# Altium PCB PCB_with_drawing_try2.PcbDoc (part 4 of 5) (continued)
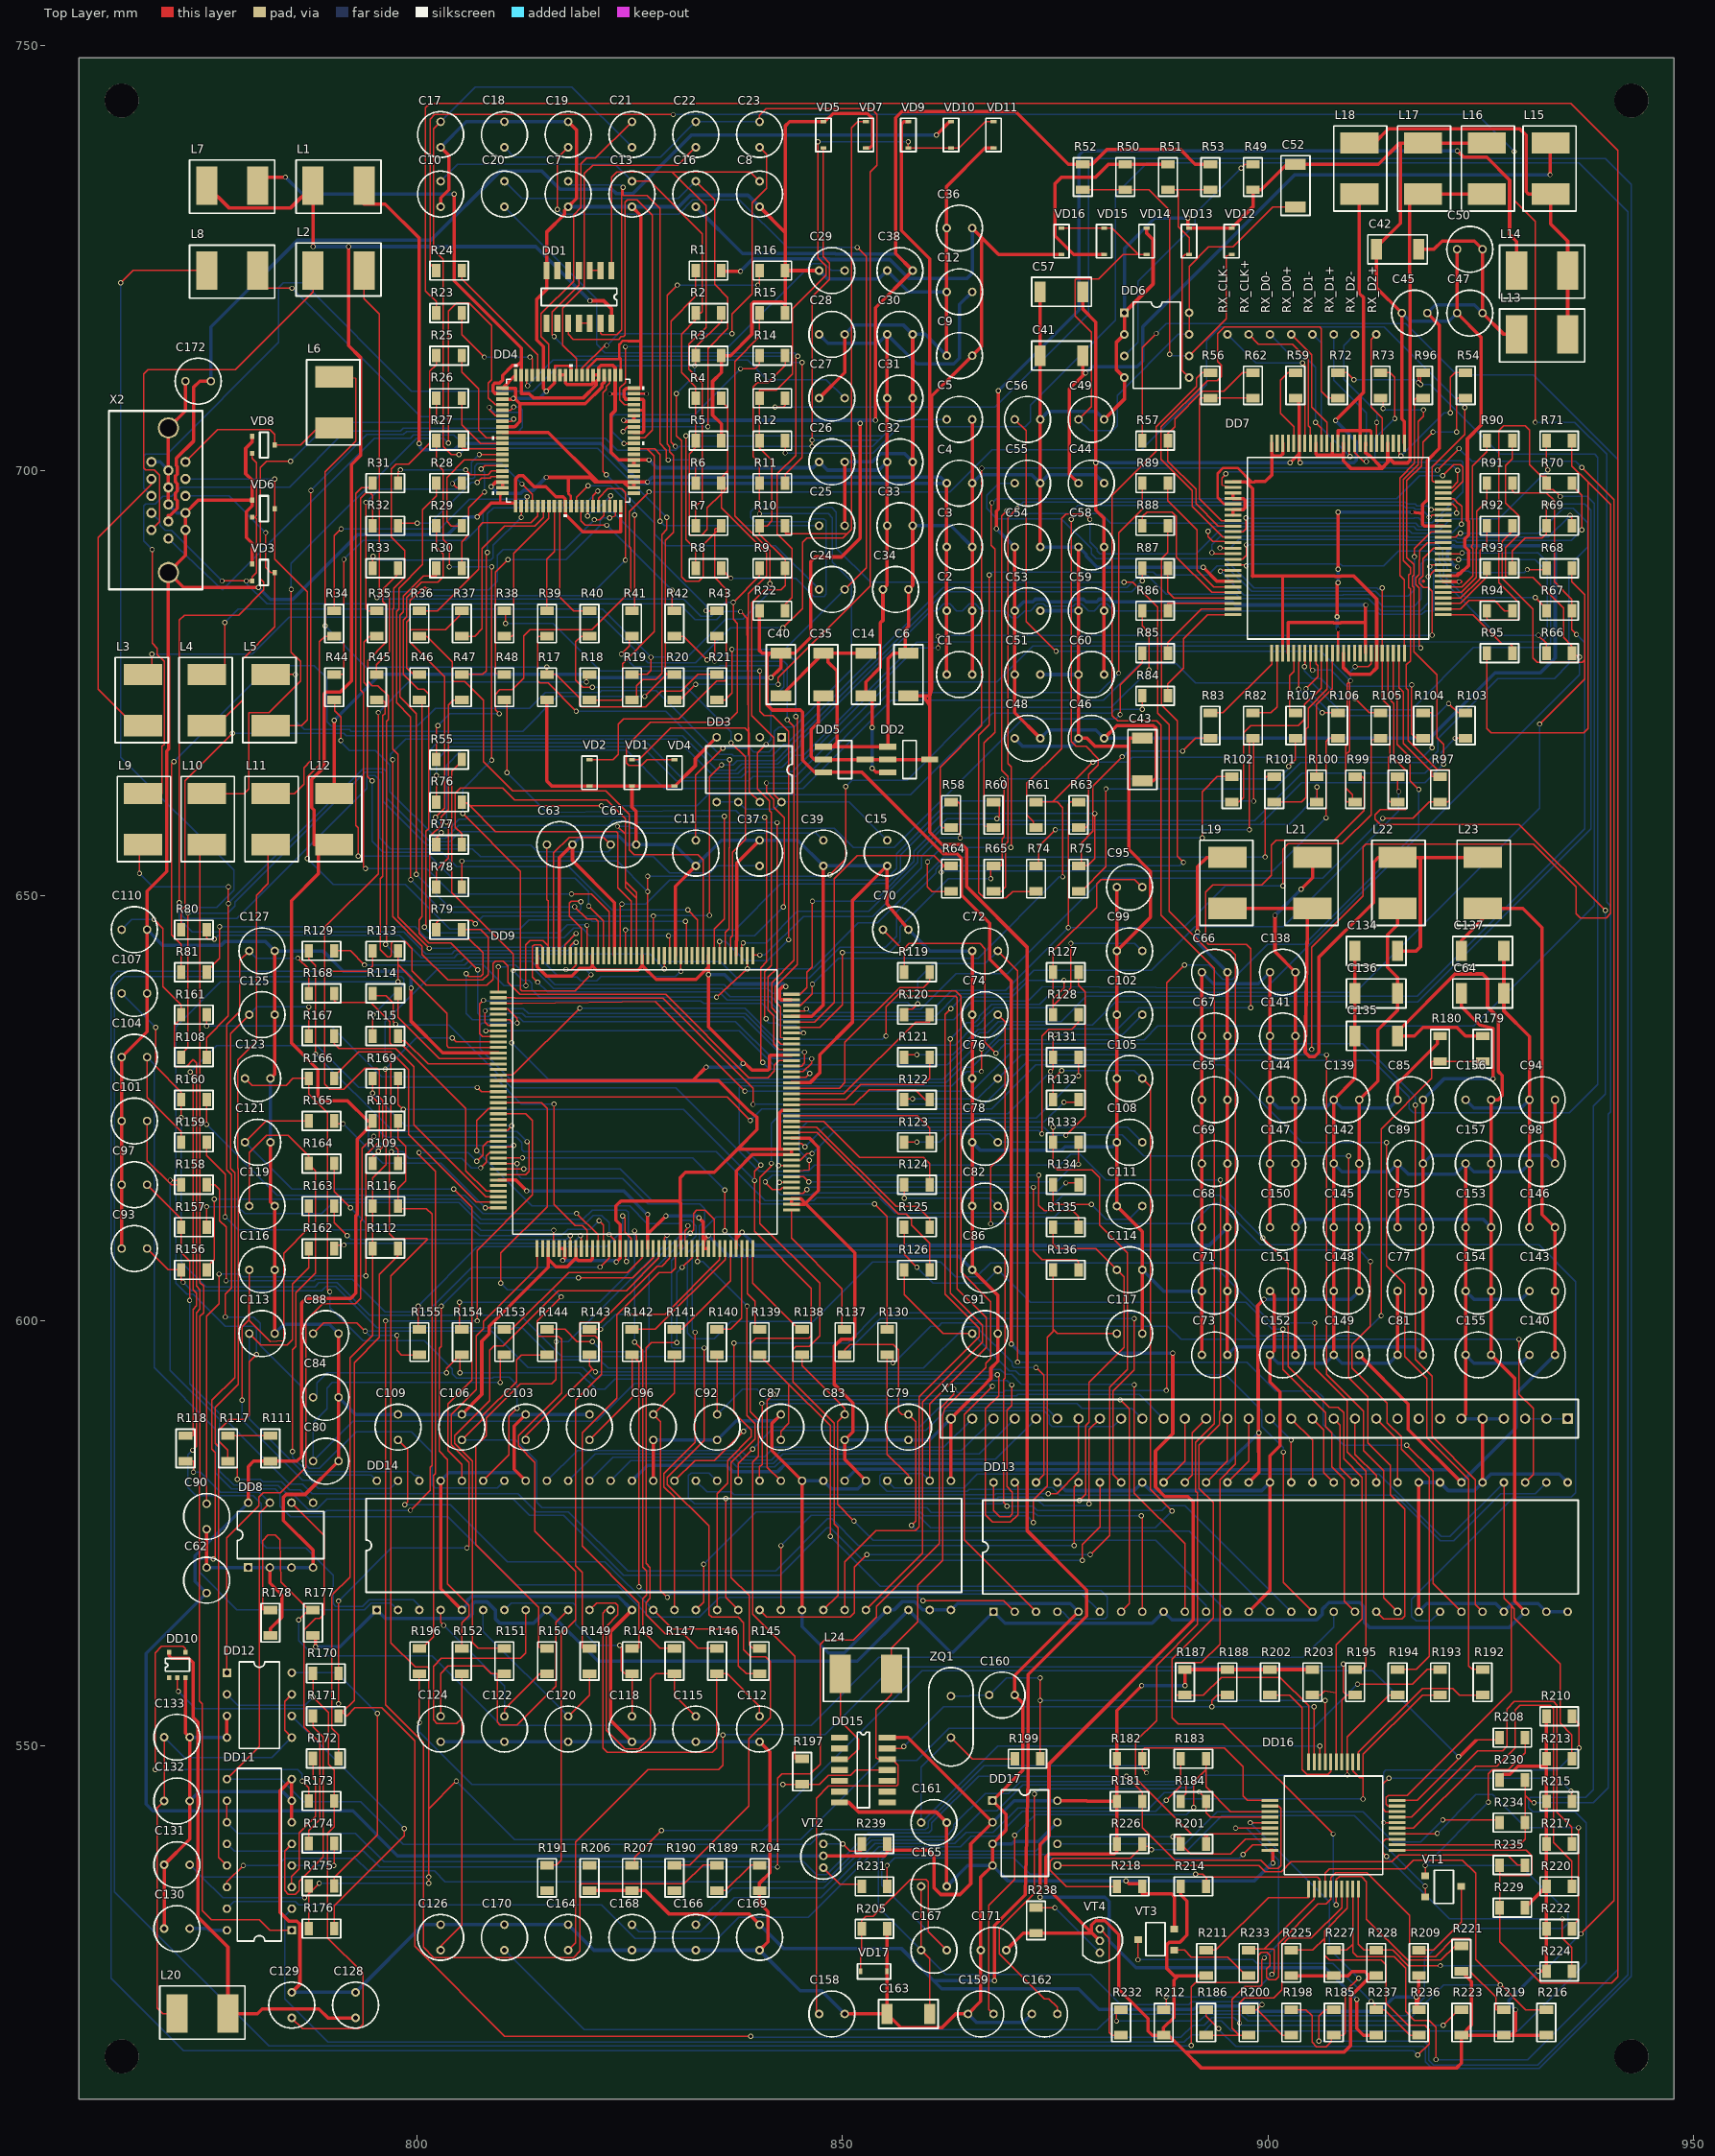
[diagram p0: Top Layer view]
## Nets (pads, with @x,y where several pads share a name; then routed paths per layer and width w, separated by ;. In a path a pad name is that pad's centre, name@x,y a point inside that pad or via, vN(x,y) a via of type N, cw(c..) or ccw(c..) an arc to the next point about the centre after c; other vN are vias at no path point) (continued)
  Bottom Layer w0.15: RX_CLK-.1@895.25,716 898.599,712.651 v1(904.096,712.651)
NetDD7_96: DD7.96 R59.2 | length 10.2
  Top Layer w0.15: DD7.96@903.05,703.2 903.05,705.159 901.5,706.709 901.5,710.595 902.405,711.5 R59.2@903.25,711.5
NetDD8_5: DD8.5 R111.2 R117.2 | length 20.2
  Top Layer w0.15: R117.2@777.75,586.5 778.708,586.5 ; v1(778.844,581.36) 778.844,586.364 778.708,586.5 ; R111.2@782.75,586.5 778.708,586.5
  Bottom Layer w0.15: v1(778.844,581.36) 781.546,581.36 781.837,581.069 784.053,581.069 784.989,580.133 786.237,580.133 DD8.5@787.75,578.62
NetDD9_11: DD9.11 R113.1 R117.1 | length 110.8
  Top Layer w0.15: R117.1@777.75,583.5 777.726,583.5 777.726,584.805 776.675,585.856 776.675,587.126 777.945,588.396 779.733,588.396 780.241,588.904 780.241,595.178 v1(781.104,596.041) ; v1(797.75,639.856) 797.75,641.912 ; R113.1@797.75,643.5 797.75,641.912 ; DD9.11@809.55,632.15 803.695,632.15 803.507,632.338 803.507,636.154 797.75,641.912
  Bottom Layer w0.15: v1(781.104,596.041) 781.104,599.064 780.825,599.343 777.438,599.343 773.662,603.119 772.934,603.119 771.611,604.443 771.611,634.588 776.879,639.856 v1(797.75,639.856)
NetDD9_13: DD9.13 R114.1 | length 16.6
  Top Layer w0.15: R114.1@797.75,638.5 797.75,635.682 802.582,630.85 DD9.13@809.55,630.85
NetDD9_14: DD9.14 R115.1 | length 13.5
  Top Layer w0.15: R115.1@797.75,633.5 797.75,632.948 798.529,632.948 801.276,630.2 DD9.14@809.55,630.2
NetDD9_19: DD9.19 R118.1 | length 83.9
  Top Layer w0.15: R118.1@772.75,586.5 773.649,586.5 773.649,601.354 774.068,601.773 774.068,603.254 773.649,603.673 773.649,628.947 v1(773.332,629.265) ; v1(807.063,627.436) 807.549,626.95 DD9.19@809.55,626.95
  Bottom Layer w0.15: v1(773.332,629.265) 776.431,632.363 788.216,632.363 793.144,627.436 v1(807.063,627.436)
NetDD9_33: DD9.33 R130.2 | length 61.3
  Top Layer w0.15: DD9.33@809.55,617.85 v1(812.53,617.85) ; v1(853.765,613.754) 855.247,612.272 855.247,599 R130.2@855.25,599
  Bottom Layer w0.15: v1(812.53,617.85) 823.858,617.85 827.529,614.179 839.922,614.179 840.347,613.754 v1(853.765,613.754)
NetDD9_34: DD9.34 R129.2 | length 49
  Top Layer w0.15: R129.2@787.25,643.5 787.25,642.575 788.038,641.787 v1(788.038,631.373) ; DD9.34@809.55,617.2 812.778,617.2 813.159,617.581 813.159,620.832 v1(812.93,621.06)
  Bottom Layer w0.15: v1(788.038,631.373) 797.165,622.246 811.745,622.246 v1(812.93,621.06)
NetDD9_37: DD9.37 R168.2 | length 35.2
  Top Layer w0.15: R168.2@790.25,638.5 790.25,637.672 790.504,637.418 794.543,637.418 796.765,635.196 796.765,632.69 797.03,632.425 798.264,632.425 805.691,624.997 805.691,617.663 808.104,615.25 DD9.37@809.55,615.25
NetDD9_38: DD9.38 R167.2 | length 31.6
  Top Layer w0.15: R167.2@790.25,633.5 790.25,632.592 790.821,632.021 797.449,632.021 799.608,629.861 799.608,623.071 808.079,614.6 DD9.38@809.55,614.6
NetDD9_39: DD9.39 R166.2 | length 32.5
  Top Layer w0.15: R166.2@790.25,628.5 790.25,628.758 793.109,631.617 796.913,631.617 798.997,629.533 798.997,621.915 806.961,613.95 DD9.39@809.55,613.95
NetDD9_40: DD9.40 R165.2 | length 23.7
  Top Layer w0.15: R165.2@790.25,623.5 790.25,623.194 v1(791.29,623.194) ; v1(808.003,613.3) DD9.40@809.55,613.3
  Bottom Layer w0.15: v1(791.29,623.194) 795.963,618.52 802.782,618.52 v1(808.003,613.3)
NetDD9_44: DD9.44 R164.2 | length 33.1
  Top Layer w0.15: R164.2@790.25,618.5 790.25,615.217 v1(792.179,613.288) ; DD9.44@816.05,608.5 v1(816.05,610.667)
  Bottom Layer w0.15: v1(792.179,613.288) 794.202,611.264 806.889,611.264 807.487,610.667 v1(816.05,610.667)
NetDD9_47: DD9.47 R163.2 | length 32.2
  Top Layer w0.15: R163.2@790.25,613.5 790.25,611.559 v1(791.772,610.037) ; DD9.47@818,608.5 v1(818,610.037)
  Bottom Layer w0.15: v1(791.772,610.037) 792.225,609.584 817.547,609.584 v1(818,610.037)
NetDD9_49: DD9.49 R162.2 | length 31.4
  Top Layer w0.15: R162.2@790.25,608.5 790.25,608.919 v1(791.391,608.919) ; v1(819.204,610.037) 819.3,609.941 DD9.49@819.3,608.5
  Bottom Layer w0.15: v1(791.391,608.919) 791.609,609.137 817.748,609.137 817.823,609.213 818.381,609.213 v1(819.204,610.037)
NetDD9_50: DD9.50 R161.2 | length 65.1
  Top Layer w0.15: v1(775.25,634.649) R161.2@775.25,636 ; v1(816.08,625.505) 816.08,613.669 818.544,611.205 819.382,611.205 819.95,610.637 DD9.50@819.95,608.5
  Bottom Layer w0.15: v1(775.25,634.649) 789.867,634.649 795.836,628.68 809.082,628.68 812.257,625.505 v1(816.08,625.505)
NetDD9_52: DD9.52 R160.2 | length 55.9
  Top Layer w0.15: v1(775.25,623.092) R160.2@775.25,626 ; v1(818.735,612.64) 821.25,610.125 DD9.52@821.25,608.5
  Bottom Layer w0.15: v1(775.25,623.092) 783.556,614.787 805.564,614.787 807.711,612.64 v1(818.735,612.64)
NetDD9_53: DD9.53 R159.2 | length 58.8
  Top Layer w0.15: R159.2@775.25,621 775.25,619.422 777.411,617.261 v1(777.411,612.232) ; v1(821.363,611.789) 821.9,611.253 DD9.53@821.9,608.5
  Bottom Layer w0.15: v1(777.411,612.232) 778.945,610.697 806.631,610.697 807.317,610.011 816.944,610.011 817.706,610.773 820.347,610.773 v1(821.363,611.789)
NetDD9_54: DD9.54 R158.2 | length 63.2
  Top Layer w0.15: R158.2@775.25,616 775.25,616.006 776.202,616.006 776.782,615.426 776.782,611.764 777.523,611.023 v1(777.523,604.703) ; v1(821.49,606.328) 822.55,607.388 DD9.54@822.55,608.5
  Bottom Layer w0.15: v1(777.523,604.703) 787.878,604.703 788.059,604.884 792.379,604.884 796.226,601.037 801.162,601.037 806.453,606.328 v1(821.49,606.328)
NetDD9_55: DD9.55 R157.2 | length 55.7
  Top Layer w0.15: R157.2@775.25,611 v1(775.25,613.434) ; v1(822.557,610.164) 823.2,609.521 DD9.55@823.2,608.5
  Bottom Layer w0.15: v1(775.25,613.434) 778.923,613.434 779.756,612.602 788.8,612.602 790.121,613.923 804.883,613.923 807.378,611.428 819.744,611.428 820.734,612.418 821.668,612.418 822.557,611.529 v1(822.557,610.164)
NetDD9_57: DD9.57 R156.2 | length 66.4
  Top Layer w0.15: R156.2@775.25,606 775.25,606.303 776.126,607.179 v1(776.126,614.329) ; DD9.57@824.5,608.5 824.5,607.078 v1(824.614,606.963)
  Bottom Layer w0.15: v1(776.126,614.329) 805.1,614.329 807.507,611.922 819.473,611.922 820.584,613.034 824.566,613.034 824.82,612.78 824.82,607.169 v1(824.614,606.963)
NetDD9_58: DD9.58 R155.2 | length 36.6
  Top Layer w0.15: v1(800.103,601.756) 800.103,599 R155.2@800.25,599 ; v1(824.145,612.337) 824.45,612.031 824.45,610.404 825.15,609.704 DD9.58@825.15,608.5
  Bottom Layer w0.15: v1(800.103,601.756) 807.08,608.733 822.248,608.733 824.145,610.629 v1(824.145,612.337)
NetDD9_59: DD9.59 R154.2 | length 32.2
  Top Layer w0.15: v1(804.955,602.187) 804.955,599 R154.2@805.25,599 ; v1(825.554,610.57) 825.8,609.905 DD9.59@825.8,608.5
  Bottom Layer w0.15: v1(804.955,602.187) 821.432,602.187 825.554,606.309 v1(825.554,610.57)
NetDD9_60: DD9.60 R153.2 | length 20.8
  Top Layer w0.15: R153.2@810.25,599 811.102,599 817.802,605.699 824.722,605.699 826.45,607.427 DD9.60@826.45,608.5
NetDD9_62: DD9.62 R152.2 | length 70.5
  Top Layer w0.15: v1(802.847,601.731) 802.847,597.007 802.593,596.753 802.593,584.677 803.583,583.687 803.583,569.048 806.079,566.552 806.079,565.33 805.234,564.485 805.234,561.5 R152.2@805.25,561.5 ; v1(818.944,605.052) 825.356,605.052 827.75,607.446 DD9.62@827.75,608.5
  Bottom Layer w0.15: v1(802.847,601.731) 806.168,605.052 v1(818.944,605.052)
NetDD9_63: DD9.63 R151.2 | length 66.4
  Top Layer w0.15: R151.2@810.25,561.5 807.19,561.5 806.483,562.207 806.483,583.515 804.421,585.577 804.421,586.527 808.536,590.642 808.536,596.524 809.044,597.032 810.073,597.032 816.588,603.547 824.59,603.547 828.4,607.357 DD9.63@828.4,608.5
NetDD9_64: DD9.64 R150.2 | length 66.5
  Top Layer w0.15: R150.2@815.25,561.5 814.302,561.627 814.302,566.323 806.911,573.715 806.911,585.31 808.116,586.516 808.116,588.586 812.115,592.585 815.826,592.585 816.334,593.093 v1(816.334,597.54) ; DD9.64@829.05,608.5 829.05,609.748 v1(829.364,610.062)
  Bottom Layer w0.15: v1(816.334,597.54) 817.765,597.54 829.364,609.139 v1(829.364,610.062)
NetDD9_65: DD9.65 R149.2 | length 57.6
  Top Layer w0.15: R149.2@820.25,561.5 819.382,561.5 819.382,570.438 818.595,571.226 818.595,590.669 821.656,593.73 821.656,597.461 820.906,598.211 819.153,598.211 819.153,599.801 821.554,599.801 828.19,606.437 828.761,606.437 829.7,607.375 DD9.65@829.7,608.5
NetDD9_66: DD9.66 R148.2 | length 56
  Top Layer w0.15: R148.2@825.25,561.5 826.088,561.5 826.088,566.831 819.407,573.512 819.407,586.847 823.446,590.885 823.446,600.69 828.424,605.668 829.842,605.668 830.35,606.176 DD9.66@830.35,608.5
NetDD9_68: DD9.68 R147.2 | length 58.4
  Top Layer w0.15: v1(825.554,597.489) 826.494,596.549 826.494,571.063 826.971,570.586 826.971,567.794 826.494,567.318 826.494,563.532 828.526,561.5 R147.2@830.25,561.5 ; DD9.68@831.65,608.5 831.478,609.612 831.478,610.602 831.803,610.926 v1(831.803,611.18)
  Bottom Layer w0.15: v1(825.554,597.489) 825.554,604.677 831.803,610.926 v1(831.803,611.18)
NetDD9_69: DD9.69 R146.2 | length 57.4
  Top Layer w0.15: v1(830.533,597.438) 827.51,597.438 826.9,596.829 826.9,571.467 827.375,570.993 827.375,567.364 826.9,566.889 826.9,565.447 829.148,563.199 831.32,563.199 833.019,561.5 R146.2@835.25,561.5 ; v1(831.137,606.283) 832.3,607.446 DD9.69@832.3,608.5
  Bottom Layer w0.15: v1(830.533,597.438) 830.533,605.679 v1(831.137,606.283)
NetDD9_70: DD9.70 R145.2 | length 53.2
  Top Layer w0.15: v1(832.95,606.963) DD9.70@832.95,608.5 ; v1(838.788,601.756) 838.771,601.74 838.771,588.858 839.697,587.932 839.697,586.11 836.908,583.321 836.908,569.803 839.017,567.694 839.017,561.931 839.448,561.5 R145.2@840.25,561.5
  Bottom Layer w0.15: v1(832.95,606.963) 833.581,606.963 v1(838.788,601.756)
NetDD9_73: DD9.73 R144.2 | length 37.7
  Top Layer w0.15: R144.2@815.25,599 817.35,599 818.785,597.565 v1(820.576,597.565) ; v1(832.107,610.323) 832.486,610.702 832.486,612.635 832.844,612.993 833.862,612.993 834.9,611.955 DD9.73@834.9,608.5
  Bottom Layer w0.15: v1(820.576,597.565) 821.77,596.372 826.723,596.372 827.231,596.88 827.231,605.446 v1(832.107,610.323)
NetDD9_74: DD9.74 R143.2 | length 20
  Top Layer w0.15: R143.2@820.25,599 v1(821.566,599) ; v1(824.919,600.791) 829.149,600.791 835.55,607.192 DD9.74@835.55,608.5
  Bottom Layer w0.15: v1(821.566,599) 823.358,600.791 v1(824.919,600.791)
NetDD9_75: DD9.75 R142.2 | length 15.6
  Top Layer w0.15: R142.2@825.25,599 827.979,599 836.2,607.221 DD9.75@836.2,608.5
NetDD9_76: DD9.76 R141.2 | length 12.8
  Top Layer w0.15: R141.2@830.25,599 831.153,599 836.85,604.697 DD9.76@836.85,608.5
NetDD9_78: DD9.78 R140.2 | length 11.6
  Top Layer w0.15: R140.2@835.25,599 836.832,599 838.15,600.318 DD9.78@838.15,608.5
NetDD9_79: DD9.79 R139.2 | length 10.4
  Top Layer w0.15: DD9.79@838.8,608.5 838.8,603.204 839.702,602.302 839.702,599 R139.2@840.25,599
NetDD9_80: DD9.80 R138.2 | length 12.1
  Top Layer w0.15: DD9.80@839.45,608.5 839.45,604.423 844.873,599 R138.2@845.25,599
NetDD9_81: DD9.81 R137.2 | length 16.8
  Top Layer w0.15: DD9.81@844,613.05 843.995,613.05 843.995,609.732 849.938,603.788 849.938,599 R137.2@850.25,599
NetDD9_84: DD9.84 R136.2 | length 43
  Top Layer w0.15: DD9.84@844,615 845.351,615 v1(845.798,615.447) ; v1(872.443,615.701) 872.443,608.208 873.459,607.192 877.496,607.192 877.75,606.938 R136.2@877.75,606
  Bottom Layer w0.15: v1(845.798,615.447) 846.052,615.701 v1(872.443,615.701)
NetDD9_85: DD9.85 R135.2 | length 46.1
  Top Layer w0.15: v1(840.921,616.336) 840.921,616.26 841.734,615.447 842.725,615.447 842.928,615.65 DD9.85@844,615.65 ; v1(873.078,617.149) 873.078,613.593 873.738,612.932 877.09,612.932 877.75,612.272 R135.2@877.75,611
  Bottom Layer w0.15: v1(840.921,616.336) 841.734,617.149 v1(873.078,617.149)
NetDD9_86: DD9.86 R134.2 | length 39
  Top Layer w0.15: v1(842.587,616.3) DD9.86@844,616.3 ; v1(876.253,616.209) 877.75,616.209 R134.2@877.75,616
  Bottom Layer w0.15: v1(842.587,616.3) 842.242,615.955 842.242,615.345 842.769,614.818 846.336,614.818 846.584,615.066 875.11,615.066 v1(876.253,616.209)
NetDD9_87: DD9.87 R133.2 | length 37.5
  Top Layer w0.15: DD9.87@844,616.95 845.417,616.95 v1(846.035,616.332) ; v1(877.75,618.41) R133.2@877.75,621
  Bottom Layer w0.15: v1(846.035,616.332) 875.164,616.332 877.242,618.41 v1(877.75,618.41)
NetDD9_88: DD9.88 R132.2 | length 41.7
  Top Layer w0.15: DD9.88@844,617.6 846.077,617.733 v1(846.077,618.87) ; v1(876.024,625.709) 877.75,625.709 R132.2@877.75,626
  Bottom Layer w0.15: v1(846.077,618.87) 844.934,620.013 844.934,622.432 845.874,623.372 873.687,623.372 v1(876.024,625.709)
NetDD9_89: DD9.89 R131.2 | length 46.2
  Top Layer w0.15: v1(842.496,618.25) DD9.89@844,618.25 ; v1(877.75,628.807) R131.2@877.75,631
  Bottom Layer w0.15: v1(842.496,618.25) 842.496,623.092 843.258,623.854 872.797,623.854 v1(877.75,628.807)
NetDD9_90: DD9.90 R128.2 | length 48.4
  Top Layer w0.15: DD9.90@844,618.9 845.036,618.9 845.799,619.663 v1(846.408,619.663) ; v1(873.433,622) 873.433,633.481 874.246,634.294 876.938,634.294 877.75,635.105 R128.2@877.75,636
  Bottom Layer w0.15: v1(846.408,619.663) 849.123,622.379 873.055,622.379 v1(873.433,622)
NetDD9_93: DD9.93 R127.2 | length 54.3
  Top Layer w0.15: DD9.93@844,620.85 845.17,620.85 v1(845.569,620.451) ; v1(876.253,621.797) 878.539,624.083 878.539,638.663 877.75,639.451 R127.2@877.75,641
  Bottom Layer w0.15: v1(845.569,620.451) 847.901,622.783 873.667,622.783 874.652,621.797 v1(876.253,621.797)
NetDD9_95: DD9.95 R126.2 | length 25.2
  Top Layer w0.15: DD9.95@844,622.15 846.969,622.15 856.568,612.551 857.482,612.551 858.092,611.942 858.092,611.281 860.25,609.122 R126.2@860.25,606
NetDD9_96: DD9.96 R125.2 | length 21.7
  Top Layer w0.15: DD9.96@844,622.8 846.954,622.8 856.288,613.466 858.802,613.466 860.25,612.018 R125.2@860.25,611
NetDD9_97: DD9.97 R124.2 | length 20.8
  Top Layer w0.15: DD9.97@844,623.45 847.803,623.45 852.021,619.232 859.514,619.232 860.25,618.496 R124.2@860.25,616
NetDD9_98: DD9.98 R123.2 | length 18.5
  Top Layer w0.15: DD9.98@844,624.1 858.785,624.1 860.25,622.635 R123.2@860.25,621
NetDD9_100: DD9.100 R122.2 | length 17.5
  Top Layer w0.15: DD9.100@844,625.4 851.362,625.4 853.143,627.182 858.543,627.182 859.725,626 R122.2@860.25,626
NetDD9_101: DD9.101 R121.2 | length 19.7
  Top Layer w0.15: DD9.101@844,626.05 850.378,626.05 852.119,627.791 859.514,627.791 860.25,628.527 R121.2@860.25,631
NetDD9_102: DD9.102 R120.2 | length 20.6
  Top Layer w0.15: DD9.102@844,626.7 850.168,626.7 858.6,635.132 860.25,635.132 R120.2@860.25,636
NetDD9_103: DD9.103 R119.2 | length 25.3
  Top Layer w0.15: DD9.103@844,627.35 849.623,627.35 850.293,628.02 850.293,632.769 856.737,639.213 859.514,639.213 860.25,639.949 R119.2@860.25,641
NetDD10_4: DD10.4 R173.1 | length 39.1
  Top Layer w0.15: v1(769.192,547.248) 769.192,560.964 769.954,561.726 772.496,561.726 772.75,561.472 DD10.4@772.75,561.04 ; v1(786.483,545.881) 787.25,545.114 R173.1@787.25,543.54
  Bottom Layer w0.15: v1(769.192,547.248) 785.975,547.248 786.483,546.74 v1(786.483,545.881)
NetDD11_3: DD11.3 R172.2 | length 16.4
  Top Layer w0.15: DD11.3@785.25,533.42 785.25,534.661 786.133,535.544 786.133,539.807 788.025,541.699 788.025,545.952 787.75,546.227 R172.2@787.75,548.54
NetDD11_4: DD11.4 R174.1 | length 7.6
  Top Layer w0.15: v1(790.212,535.96) 790.25,535.998 R174.1@790.25,538.54
  Bottom Layer w0.15: DD11.4@785.25,535.96 v1(790.212,535.96)
NetDD11_5: DD11.5 R171.2 | length 30.1
  Top Layer w0.15: DD11.5@785.25,538.5 784.421,537.671 784.421,533.008 784.838,532.591 785.668,532.591 786.101,533.024 786.101,534.11 788.953,536.961 788.953,551.074 787.75,552.277 R171.2@787.75,553.54
NetDD12_6: DD12.6 R176.1 | length 33.9
  Top Layer w0.15: R176.1@790.25,528.54 790.25,531.219 798.48,539.448 v1(798.48,540.31)
  Bottom Layer w0.15: DD12.6@785.25,553.54 v1(798.48,540.31)
NetDD12_8: DD12.8 R175.1 | length 34.4
  Top Layer w0.15: R175.1@790.25,533.54 790.25,534.523 795.303,539.575 v1(795.303,553.852)
  Bottom Layer w0.15: DD12.8@785.25,558.62 790.535,558.62 v1(795.303,553.852)
NetDD13_17: DD13.17 R177.1 R178.2 | length 158.2
  Top Layer w0.15: R178.2@782.75,566 781.841,566 781.841,574.172 782.476,574.807 783.314,574.807 783.847,574.274 783.956,569.27 R177.1@787.226,566 ; v1(786.057,564.832) R177.1@787.226,566 ; R177.1@787.75,566 R177.1@787.226,566
  Bottom Layer w0.15: v1(786.057,564.832) 786.057,562.412 787.886,560.583 801.754,560.583 809.882,552.455 846.306,552.455 854.282,560.431 904.169,560.431 907.75,564.012 DD13.17@907.75,565.8
NetDD13_37: DD13.37 X1.10 | length 8.5
  Top Layer w0.15: X1.10@912.75,588.5 915.25,586 DD13.37@915.25,581
NetDD13_38: DD13.38 X1.11 | length 8.5
  Top Layer w0.15: X1.11@910.25,588.5 910.25,584.318 912.75,581.818 DD13.38@912.75,581
NetDD13_39: DD13.39 X1.12 | length 8.5
  Top Layer w0.15: X1.12@907.75,588.5 908.511,587.739 908.511,582.739 DD13.39@910.25,581
NetDD13_40: DD13.40 X1.13 | length 8.5
  Top Layer w0.15: X1.13@905.25,588.5 906.58,587.17 906.58,582.17 DD13.40@907.75,581
NetDD13_41: DD13.41 X1.14 | length 8.5
  Top Layer w0.15: X1.14@902.75,588.5 905.25,586 DD13.41@905.25,581
NetDD13_42: DD13.42 X1.15 | length 8.5
  Top Layer w0.15: DD13.42@902.75,581 v1(902.75,586)
  Bottom Layer w0.15: X1.15@900.25,588.5 v1(902.75,586)
NetDD13_45: DD13.45 X1.16 | length 8.5
  Top Layer w0.15: DD13.45@895.25,581 897.75,583.5 X1.16@897.75,588.5
NetDD13_46: DD13.46 X1.17 | length 8.5
  Top Layer w0.15: DD13.46@892.75,581 895.25,583.5 X1.17@895.25,588.5
NetDD13_47: DD13.47 X1.18 | length 8.5
  Top Layer w0.15: DD13.47@890.25,581 891.109,581.859 891.109,586.859 X1.18@892.75,588.5
NetDD13_48: DD13.48 X1.19 | length 8.5
  Top Layer w0.15: DD13.48@887.75,581 890.25,583.5 X1.19@890.25,588.5
NetDD14_17: DD14.17 R179.1 R180.2 | length 151.9
  Top Layer w0.15: DD14.17@835.25,566 835.25,579.677 836.502,580.928 836.502,583.572 839.293,586.364 839.293,587.175 837.238,589.23 v1(837.238,597.388) ; v1(913.311,600.613) 913.311,622.534 919.28,628.503 919.28,630.5 R180.2@920.25,630.5 R179.1@925.25,630.5
  Bottom Layer w0.15: v1(837.238,597.388) 850.649,597.388 854.18,600.918 895.633,600.918 898.325,598.226 910.924,598.226 v1(913.311,600.613)
NetDD14_37: DD14.37 X1.20 | length 58.3
  Top Layer w0.15: v1(841.921,591.368) 841.15,590.597 841.15,582.8 DD14.37@842.75,581.2
  Bottom Layer w0.15: v1(841.921,591.368) 842.102,591.187 870.472,591.187 870.653,591.368 884.882,591.368 X1.20@887.75,588.5
NetDD14_38: DD14.38 X1.21 | length 54.7
  Top Layer w0.15: DD14.38@840.25,581.2 840.25,582.815 840.539,583.104 840.539,590.273 v1(840.51,590.301)
  Bottom Layer w0.15: v1(840.51,590.301) 877.548,590.301 878.107,589.742 884.008,589.742 X1.21@885.25,588.5
NetDD14_39: DD14.39 X1.22 | length 51.3
  Top Layer w0.15: DD14.39@837.75,581.2 837.75,583.244 v1(839.423,584.916)
  Bottom Layer w0.15: v1(839.423,584.916) 841.607,587.101 859.793,587.101 862.122,589.429 873.687,589.429 874.297,588.819 874.297,587.888 874.627,587.558 881.808,587.558 X1.22@882.75,588.5
NetDD14_40: DD14.40 X1.23 | length 64.9
  Top Layer w0.15: v1(878.996,578.49) 878.996,587.246 X1.23@880.25,588.5
  Bottom Layer w0.15: DD14.40@835.25,581.2 834.328,582.122 832.234,582.122 831.904,581.792 831.904,579.176 832.59,578.49 868.715,578.49 869.075,578.85 873.084,578.85 873.692,578.242 878.748,578.242 v1(878.996,578.49)
NetDD14_41: DD14.41 X1.24 | length 53
  Top Layer w0.15: v1(874.17,579.684) 875.186,579.684 877.75,582.248 X1.24@877.75,588.5
  Bottom Layer w0.15: DD14.41@832.75,581.2 834.073,579.877 836.908,579.877 837.224,579.562 867.907,579.562 868.029,579.684 v1(874.17,579.684)
NetDD14_42: DD14.42 X1.25 | length 49.1
  Top Layer w0.15: DD14.42@830.25,581.2 832.645,583.595 834.949,583.595 v1(838.352,586.999)
  Bottom Layer w0.15: v1(838.352,586.999) 838.86,587.507 859.057,587.507 861.383,589.833 873.917,589.833 X1.25@875.25,588.5
NetDD14_45: DD14.45 X1.26 | length 53.6
  Bottom Layer w0.15: DD14.45@822.75,581.2 825.098,583.548 836.855,583.548 837.582,582.821 842.043,582.821 842.963,583.741 867.991,583.741 X1.26@872.75,588.5
NetDD14_46: DD14.46 X1.27 | length 53.6
  Bottom Layer w0.15: DD14.46@820.25,581.2 823.002,583.952 837.259,583.952 837.986,583.225 841.864,583.225 842.971,584.332 866.082,584.332 X1.27@870.25,588.5
NetDD14_47: DD14.47 X1.28 | length 53.6
  Bottom Layer w0.15: DD14.47@817.75,581.2 820.906,584.356 837.663,584.356 838.39,583.629 841.633,583.629 842.74,584.736 863.986,584.736 X1.28@867.75,588.5
NetDD14_48: DD14.48 X1.29 | length 53.6
  Bottom Layer w0.15: DD14.48@815.25,581.2 818.828,584.778 838.049,584.778 838.794,584.033 840.865,584.033 841.972,585.14 861.89,585.14 X1.29@865.25,588.5
NetDD15_3: DD15.3 L24.2 | length 12.5
  Top Layer w0.15: DD15.3@849.65,548.46 850.678,548.46 851.894,549.676 851.894,550.794 849.75,552.938 L24.2@849.75,558.5
NetDD15_11: DD15.11 R196.1 R197.1 | length 65.1
  Top Layer w0.15: R196.1@800.25,558.5 800.256,558.5 v1(800.256,552.772) ; v1(842.979,545.5) R197.1@845.25,545.5 847.301,545.5 848.363,546.562 850.925,546.562 851.553,547.19 DD15.11@855.25,547.19
  Bottom Layer w0.15: v1(800.256,552.772) 800.256,551.693 806.449,545.5 v1(842.979,545.5)
NetDD15_13: DD15.13 DD16.9 R188.1 | length 61.5
  Top Layer w0.15: DD15.13@855.25,549.73 856.992,549.73 v1(857.203,549.94) ; v1(893.423,554.614) 893.423,555.376 894.047,556 R188.1@895.25,556 ; DD16.9@905.45,548.15 v1(905.45,554.614)
  Bottom Layer w0.15: v1(857.203,549.94) 861.876,554.614 v1(893.423,554.614) v1(905.45,554.614)
NetDD16_1: DD16.1 R192.1 | length 19.2
  Top Layer w0.15: DD16.1@910.65,548.15 910.65,549.28 918.168,556.798 921.744,556.798 922.542,556 R192.1@925.25,556
NetDD16_6: DD16.6 R202.1 | length 16.5
  Top Layer w0.15: R202.1@900.25,556 902.542,556 904.033,554.508 904.033,547.248 904.585,546.696 907.102,546.696 907.4,546.994 DD16.6@907.4,548.15
NetDD16_15: DD16.15 R185.2 R198.2 | length 44.1
  Top Layer w0.15: v1(897.919,541) DD16.15@900.25,541 ; R198.2@902.75,519 904.501,519 905.209,518.292 905.209,515.168 905.742,514.634 906.834,514.634 907.444,515.244 907.444,516 R185.2@907.75,516 908.86,516 909.12,516.26 909.12,521.162 v1(910.67,522.712)
  Bottom Layer w0.15: v1(897.919,541) 907.264,531.655 907.264,526.117 v1(910.67,522.712)
NetDD16_16: DD16.16 R186.2 R200.2 | length 39.9
  Top Layer w0.15: R186.2@892.75,516 896.635,516 ; v1(896.217,540.35) DD16.16@900.25,540.35 ; R200.2@897.75,516 896.635,516 ; v1(899.595,525.099) 899.316,524.82 899.316,521.912 899.138,521.734 897.326,521.734 895.791,520.199 895.791,516.844 896.635,516
  Bottom Layer w0.15: v1(896.217,540.35) 897.476,540.35 901.246,536.58 901.246,526.75 v1(899.595,525.099)
NetDD16_23: DD16.23 R214.2 R231.1 | length 57.9
  Top Layer w0.15: R231.1@855.25,533.5 v1(855.25,535.974) ; v1(891.518,534.929) 892.369,534.929 892.814,534.485 ; DD16.23@906.1,533.2 906.1,534.294 905.821,534.573 892.902,534.573 892.814,534.485 ; 892.814,534.485 R214.2@892.75,533.5 892.75,534.421 892.814,534.485
  Bottom Layer w0.15: v1(855.25,535.974) 856.139,536.863 870.128,536.863 872.062,534.929 v1(891.518,534.929)
NetDD16_24: DD16.24 R216.2 R232.1 | length 91.2
  Top Layer w0.15: v1(882.222,517.657) 882.222,519 R232.1@882.75,519 ; DD16.24@906.75,533.2 906.75,535.056 907.258,535.564 916.074,535.564 917.109,536.599 922.893,536.599 924.436,535.056 924.436,524.896 v1@927.383,521.95 ; v1(927.332,521.899) v1@927.383,521.95 ; R216.2@932.75,519 930.332,519 v1@927.383,521.95
  Bottom Layer w0.15: v1(882.222,517.657) 891.961,517.657 892.788,518.484 896.817,518.484 897.644,517.657 916.435,517.657 920.677,521.899 v1(927.332,521.899)
NetDD16_40: DD16.40 R207.2 R208.1 | length 129.7
  Top Layer w0.15: R207.2@825.25,536 825.554,536 825.554,536.91 v1(828.729,540.085) ; DD16.40@915.2,543.6 917.543,543.6 924.697,550.753 ; v1(922.43,548.772) 924.411,550.753 924.697,550.753 ; R208.1@927.25,551 927.25,550.753 924.697,550.753
  Bottom Layer w0.15: v1(828.729,540.085) 840.566,540.085 859.336,558.856 912.346,558.856 v1(922.43,548.772)
NetDD16_42: R189.1 R204.2 | length 6.2
  Top Layer w0.15: R189.1@835.25,533 836.248,533 839.248,536 R204.2@840.25,536
NetDD16_43: R190.1
NetDD16_44: R191.1
NetDD17_5: DD17.5 R235.2 | length 56.6
  Top Layer w0.15: DD17.5@875.25,535.96 898.961,535.96 899.704,535.217 901.576,535.217 902.751,536.392 914.603,536.392 915.4,537.19 928.145,537.19 929.334,536 R235.2@930.25,536
NetDD17_6: DD17.6 R234.2 | length 56.4
  Top Layer w0.15: v1(920.576,541.304) 927.25,541.304 R234.2@927.25,541
  Bottom Layer w0.15: DD17.6@875.25,538.5 890.288,538.5 894.058,542.27 911.203,542.27 914.759,538.714 917.985,538.714 v1(920.576,541.304)
NetL2_2: L2.2 R9.1 VD4.2 | length 123.8
  Top Layer w0.15: L2.2@793.75,723.5 793.75,720.2 795.531,718.419 795.531,685.322 v1(795.277,685.068) ; VD4.2@830.25,666 827.009,666 826.342,665.333 824.894,665.333 824.614,665.612 824.614,667.568 827.408,670.362 836.425,670.362 837.619,671.556 837.619,682.032 837.151,682.5 v1(837.151,684.484) 840.25,687.583 R9.1@840.25,688.5
  Bottom Layer w0.15: v1(795.277,685.068) 795.447,684.899 831.299,684.899 833.327,682.871 834.597,682.871 836.21,684.484 v1(837.151,684.484)
NetL3_2: L3.2 R10.1 VD7.2 | length 158.2
  Top Layer w0.15: L3.2@767.75,676 768.811,676 v1(768.811,678.414) ; v1(843.004,681.487) 845.29,683.773 845.29,691.52 845.798,692.028 850.065,692.028 850.573,692.536 ; R10.1@843.25,693.5 843.25,692.663 843.377,692.536 850.573,692.536 ; VD7.2@852.75,741 851.793,741 851.081,740.288 851.081,693.044 850.573,692.536
  Bottom Layer w0.15: v1(768.811,678.414) 780.622,678.414 784.965,682.757 821.77,682.757 827.154,677.372 832.742,677.372 836.857,681.487 v1(843.004,681.487)
NetL4_2: L4.2 R15.2 R19.1 | length 118.2
  Top Layer w0.15: L4.2@775.25,676 777.37,676 v1(777.37,682.122) ; R19.1@825.25,676 827.002,676 827.485,676.483 v1(827.485,678.033) ; R15.2@840.25,718.5 840.25,715.715 837.365,712.831 837.365,694.644 841.455,690.555 v1(841.455,686.694)
  Bottom Layer w0.15: v1(777.37,682.122) 778.971,683.723 821.794,683.723 v1(827.485,678.033) 831.772,678.033 836.274,682.534 838.28,682.534 841.455,685.709 v1(841.455,686.694)
NetL5_2: L5.2 R16.2 R20.1 | length 114.6
  Top Layer w0.15: L5.2@782.75,676 v1(785.676,676) ; v1(826.729,673.41) 829.319,676 829.415,676 ; R20.1@830.25,676 829.415,676 ; v1(830.583,721.797) 829.39,720.603 829.39,703.083 829.7,702.772 829.7,702.213 830.146,701.768 830.146,692.717 829.175,691.747 829.175,676.24 829.415,676 ; v1(840.032,721.797) 840.25,722.015 R16.2@840.25,723.5
  Bottom Layer w0.15: v1(785.676,676) 785.676,670.565 786.726,669.515 792.043,669.515 792.239,669.319 812.388,669.319 816.479,673.41 v1(826.729,673.41) ; v1(830.583,721.797) v1(840.032,721.797)
NetL6_2: L6.2 R17.2 R21.1 | length 85.7
  Top Layer w0.15: v1(789.156,681.716) 789.156,699.826 792.788,703.458 792.788,710.824 L6.2@790.25,711 ; v1(815.216,676.89) 815.25,676.856 R17.2@815.25,676 816.334,676 819.077,673.257 819.077,672.47 819.331,672.216 826.873,672.216 828.693,674.036 831.017,674.036 832.981,676 R21.1@835.25,676
  Bottom Layer w0.15: v1(789.156,681.716) 793.982,676.89 v1(815.216,676.89)
NetR209_2: R209.2 VT1.3 | length 10.6
  Top Layer w0.15: R209.2@917.75,526 919.458,526 922.75,529.292 VT1.3@922.75,533.5
NetR218_2: R218.2 R226.1 VT1.2 | length 61.4
  Top Layer w0.15: R218.2@882.25,533.5 882.25,533.481 876.303,533.481 874.421,535.364 874.421,536.456 874.754,536.789 883.833,536.789 R226.1@885.25,538.206 ; R226.1@885.25,538.5 R226.1@885.25,538.206 ; v1(886.336,537.825) 885.955,538.206 R226.1@885.25,538.206 ; VT1.2@918.5,532.25 v1(918.5,533.532)
  Bottom Layer w0.15: v1(886.336,537.825) 890.604,537.825 894.617,541.838 910.194,541.838 v1(918.5,533.532)
NetR231_2: R231.2 VT2.1 | length 5.6
  Top Layer w0.15: VT2.1@847.75,535.7 849.689,533.761 852.25,533.761 R231.2@852.25,533.5
NetR232_2: R232.2 VT4.1 | length 14.2
  Top Layer w0.15: VT4.1@880.25,528.5 881.358,527.392 881.358,516.305 881.663,516 R232.2@882.75,516
NetR233_2: R233.2 VT3.1 | length 10
  Top Layer w0.15: VT3.1@889,526 890.185,526 890.985,525.201 895.261,525.201 897.462,523 R233.2@897.75,523
NetR236_1: R236.1 R237.1 VT3.3 | length 39.4
  Top Layer w0.15: v1(884.75,524.871) VT3.3@884.75,527.25 ; v1(912.143,519.968) R237.1@913.111,519 ; R237.1@912.75,519 R237.1@913.111,519 ; R236.1@917.75,516 916.743,516 913.743,519 R237.1@913.111,519
  Bottom Layer w0.15: v1(884.75,524.871) 898.293,524.871 898.712,524.452 907.659,524.452 v1(912.143,519.968)
NetR238_1: R238.1 VT4.3 | length 9.7
  Top Layer w0.15: R238.1@872.75,531 v1(874.95,531)
  Bottom Layer w0.15: v1(874.95,531) VT4.3@880.25,525.7
NetR239_1: R239.1 VT2.3 | length 5.7
  Top Layer w0.15: v1(850.025,538.5) 850.878,537.647 852.25,537.647 R239.1@852.25,538.5
  Bottom Layer w0.15: VT2.3@847.75,538.5 v1(850.025,538.5)